# Altium PCB Mixed Signal Project.PcbDoc (part 1 of 3) (continued)
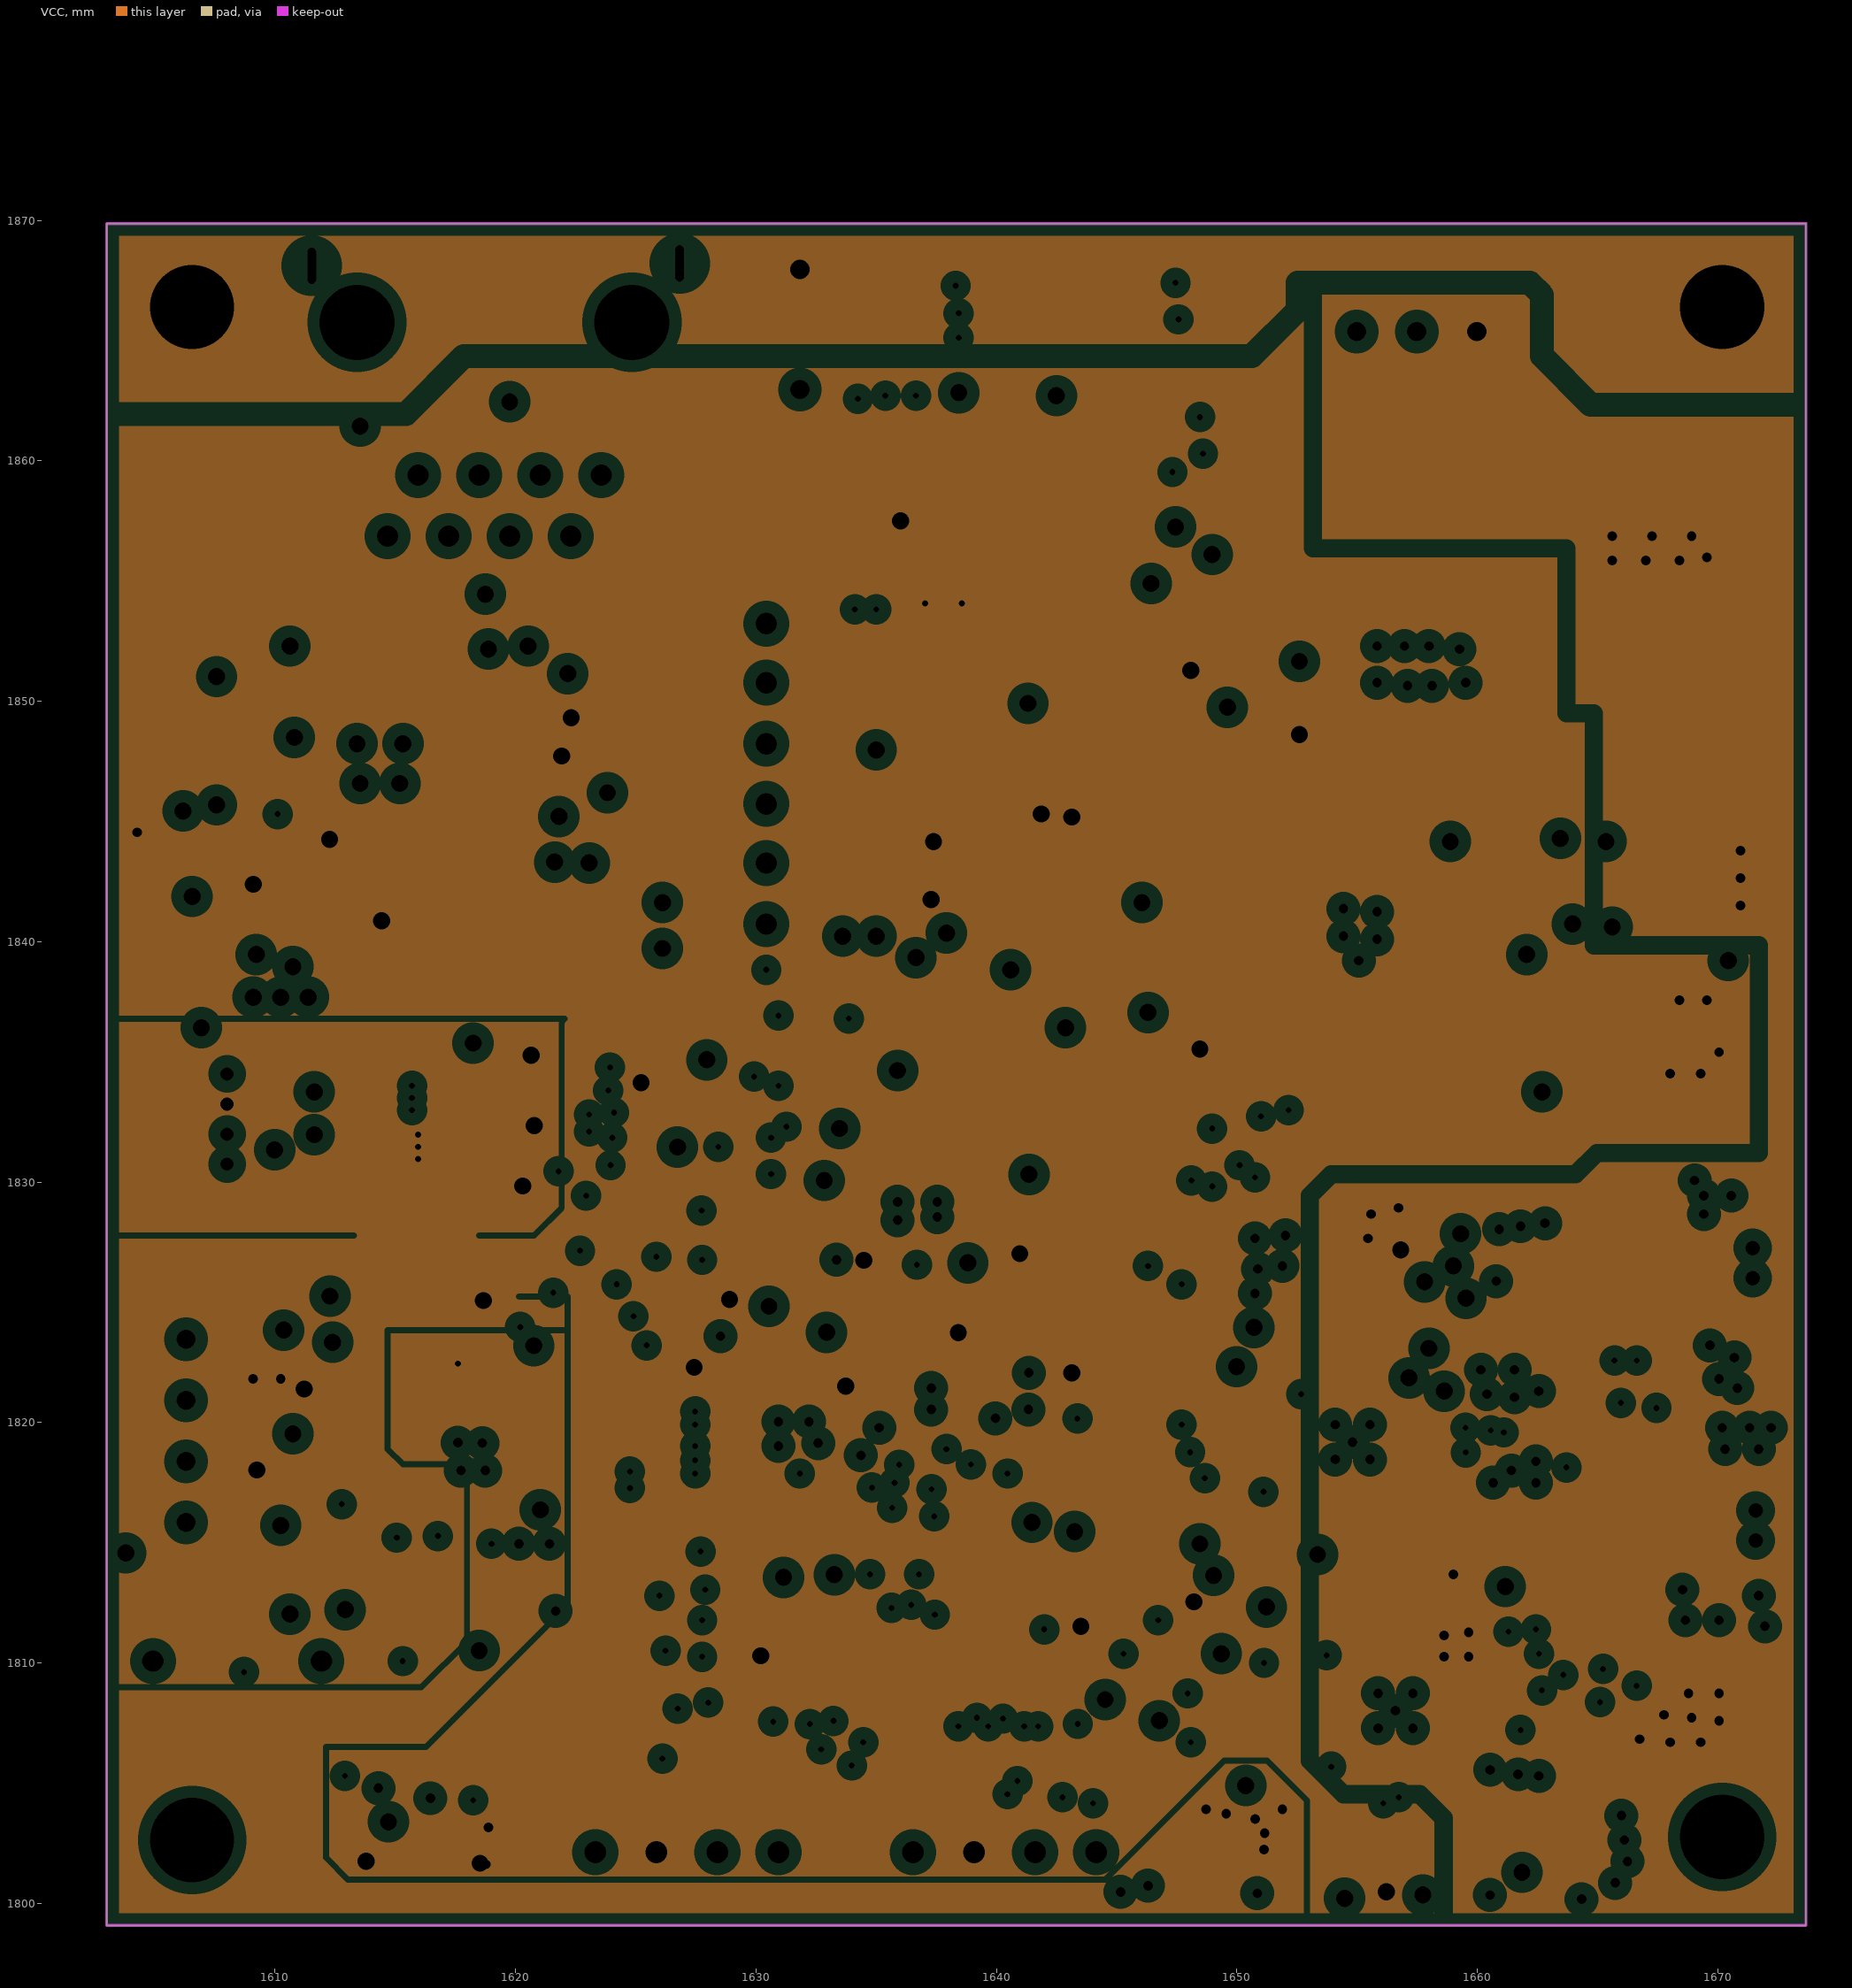
[diagram p3: VCC, clearances drawn from the general rule]
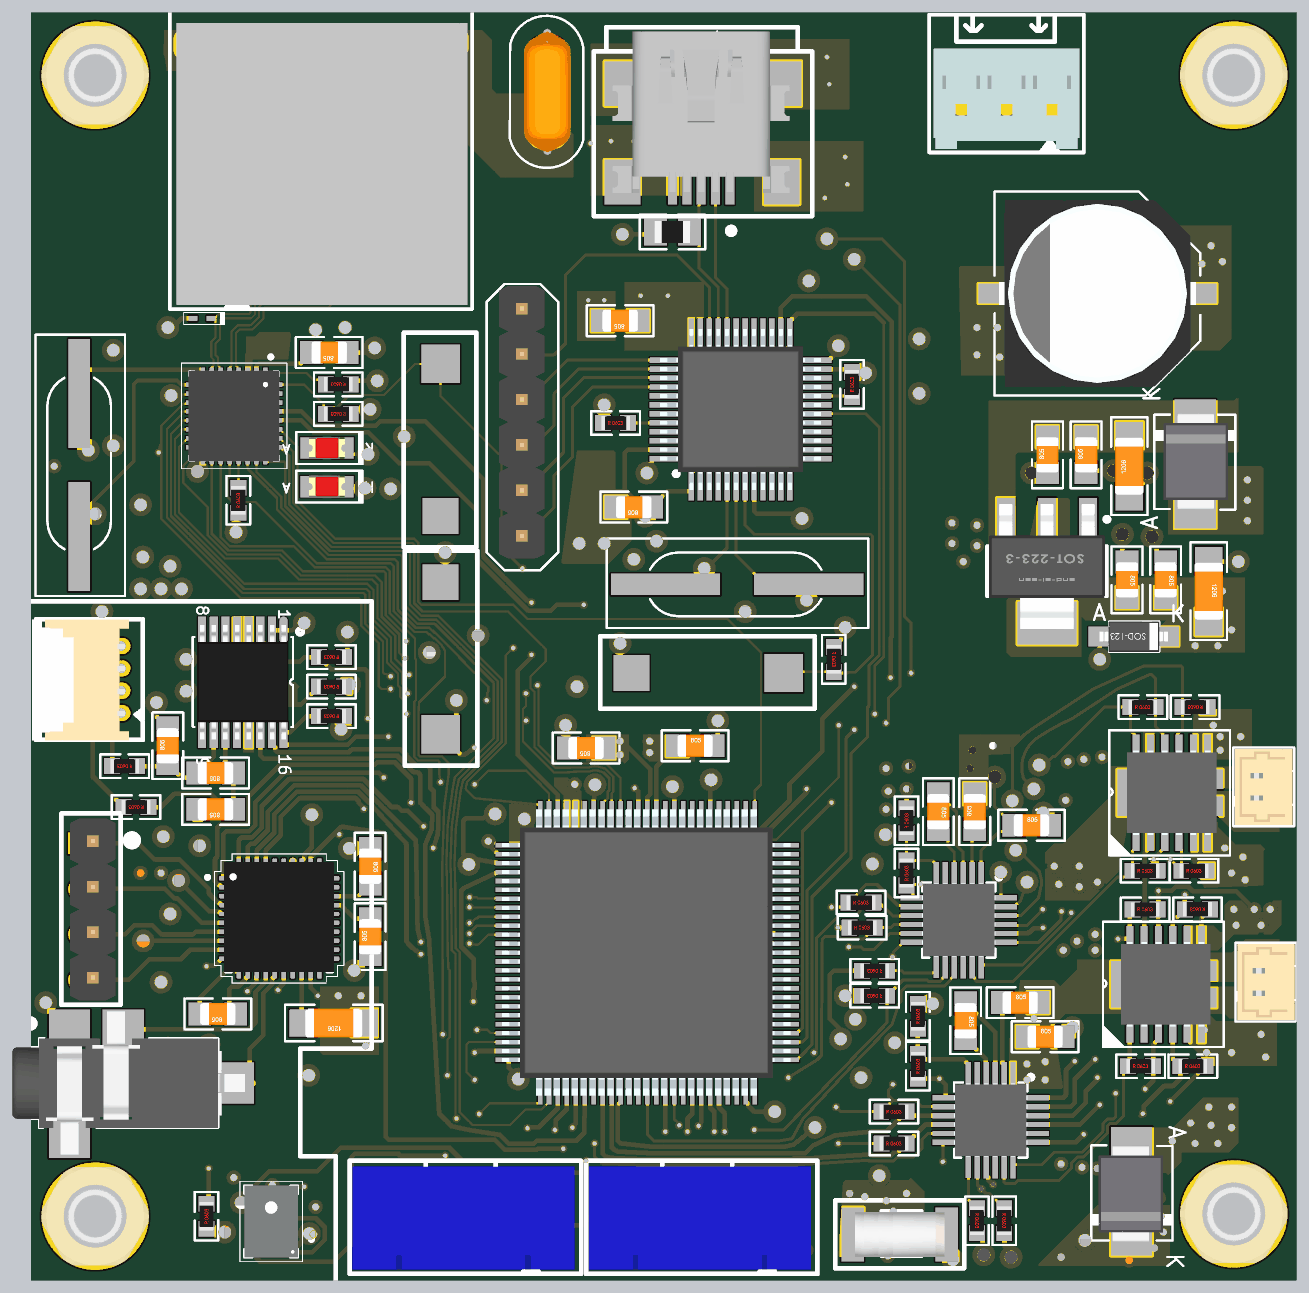
[diagram p6: 3D render of the assembled board from above, using the file's embedded part models]
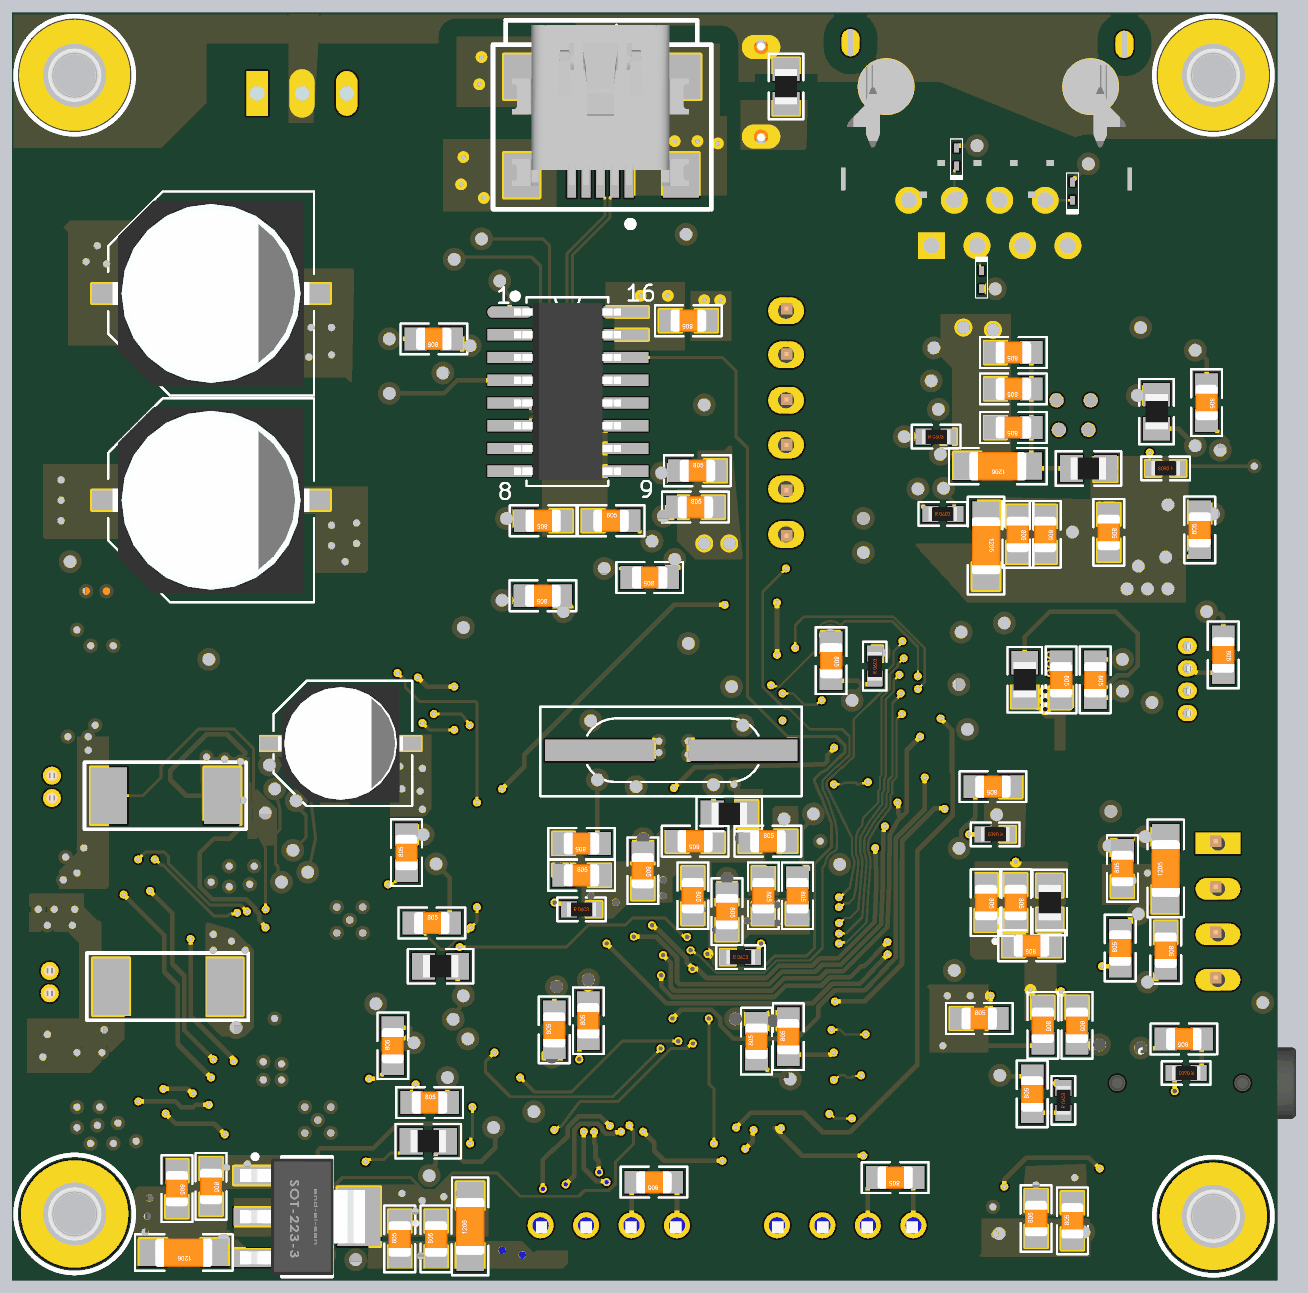
[diagram p7: 3D render of the assembled board from below, using the file's embedded part models]

## Layer stack, top to bottom
Top Solder: solder mask 0.0102, Solder Resist, Dk 3.5
Top Layer: signal copper 0.035
Dielectric 2: prepreg 0.1, PP-006, Dk 4.1
GND: plane copper 0.0175, net GND
Dielectric 1: dielectric 1.26, FR-4, Dk 4.8
VCC: plane copper 0.0175, net (Multiple Nets)
Dielectric 3: prepreg 0.1, PP-006, Dk 4.1
Bottom Layer: signal copper 0.035
Bottom Solder: solder mask 0.0102, Solder Resist, Dk 3.5

## Board outline
1602.994,1799.082 1602.994,1869.868 1673.665,1869.867 cw(c1673.665,1869.868) 1673.664,1869.868 1673.664,1799.082

## Design rules (kind name [scope] priority, off if disabled: settings)
Clearance Clearance_1 [InNet('EARTH') vs InNet('NetC21_1')] p1: gap=1 ignorepadtopadclearanceinfootprint=TRUE
Clearance [InNet('EARTH') vs InNet('GND')] p2: gap=1 ignorepadtopadclearanceinfootprint=TRUE
DiffPairsRouting DIFF100 [InDifferentialPairClass('DIFF100')] p1: maxlimit=0.127 minlimit=0.127 mostfreqgap=0.127 substack1={85947C0B-524F-4999-8F30-0B1A75798BF1} toplayer_{85947c0b-524f-4999-8f30-0b1a75798bf1}_minwidth=0.267 toplayer_{85947c0b-524f-4999-8f30-0b1a75798bf1}_maxwidth=0.267 toplayer_{85947c0b-524f-4999-8f30-0b1a75798bf1}_prefwidth=0.267 bottomlayer_{85947c0b-524f-4999-8f30-0b1a75798bf1}_minwidth=0.267 bottomlayer_{85947c0b-524f-4999-8f30-0b1a75798bf1}_maxwidth=0.267 bottomlayer_{85947c0b-524f-4999-8f30-0b1a75798bf1}_prefwidth=0.267 toplayer_minwidth=0.116 toplayer_maxwidth=0.116 toplayer_prefwidth=0.116 bottomlayer_minwidth=0.116 bottomlayer_maxwidth=0.116 bottomlayer_prefwidth=0.116 substack2={1AAEC9F2-790B-4646-ADD7-919C2FDB2E20} toplayer_{1aaec9f2-790b-4646-add7-919c2fdb2e20}_minwidth=0.267 toplayer_{1aaec9f2-790b-4646-add7-919c2fdb2e20}_maxwidth=0.267 toplayer_{1aaec9f2-790b-4646-add7-919c2fdb2e20}_prefwidth=0.267 bottomlayer_{1aaec9f2-790b-4646-add7-919c2fdb2e20}_minwidth=0.267 bottomlayer_{1aaec9f2-790b-4646-add7-919c2fdb2e20}_maxwidth=0.267 bottomlayer_{1aaec9f2-790b-4646-add7-919c2fdb2e20}_prefwidth=0.267 substack3={3DAEAAB0-107E-460D-B1CB-51DEF8907261} toplayer_{3daeaab0-107e-460d-b1cb-51def8907261}_minwidth=0.267 toplayer_{3daeaab0-107e-460d-b1cb-51def8907261}_maxwidth=0.267 toplayer_{3daeaab0-107e-460d-b1cb-51def8907261}_prefwidth=0.267 bottomlayer_{3daeaab0-107e-460d-b1cb-51def8907261}_minwidth=0.267 bottomlayer_{3daeaab0-107e-460d-b1cb-51def8907261}_maxwidth=0.267 bottomlayer_{3daeaab0-107e-460d-b1cb-51def8907261}_prefwidth=0.267 impedanceprofiledriven=TRUE impedanceprofileid={041C528D-5ECC-4D4E-9D7A-71868B227CA1} impedanceprofilevalue=100.000000 filterlayerstackid={F5C830A5-7703-44E7-AE46-DC009ED90DEE} maxuncoupledlength=12.7
DiffPairsRouting "DIFF 90" [InDifferentialPairClass('DIFF90')] p2: maxlimit=0.127 minlimit=0.127 mostfreqgap=0.127 substack1={85947C0B-524F-4999-8F30-0B1A75798BF1} toplayer_{85947c0b-524f-4999-8f30-0b1a75798bf1}_minwidth=0.401 toplayer_{85947c0b-524f-4999-8f30-0b1a75798bf1}_maxwidth=0.401 toplayer_{85947c0b-524f-4999-8f30-0b1a75798bf1}_prefwidth=0.401 bottomlayer_{85947c0b-524f-4999-8f30-0b1a75798bf1}_minwidth=0.401 bottomlayer_{85947c0b-524f-4999-8f30-0b1a75798bf1}_maxwidth=0.401 bottomlayer_{85947c0b-524f-4999-8f30-0b1a75798bf1}_prefwidth=0.401 toplayer_minwidth=0.166 toplayer_maxwidth=0.166 toplayer_prefwidth=0.166 bottomlayer_minwidth=0.166 bottomlayer_maxwidth=0.166 bottomlayer_prefwidth=0.166 substack2={1AAEC9F2-790B-4646-ADD7-919C2FDB2E20} toplayer_{1aaec9f2-790b-4646-add7-919c2fdb2e20}_minwidth=0.401 toplayer_{1aaec9f2-790b-4646-add7-919c2fdb2e20}_maxwidth=0.401 toplayer_{1aaec9f2-790b-4646-add7-919c2fdb2e20}_prefwidth=0.401 bottomlayer_{1aaec9f2-790b-4646-add7-919c2fdb2e20}_minwidth=0.401 bottomlayer_{1aaec9f2-790b-4646-add7-919c2fdb2e20}_maxwidth=0.401 bottomlayer_{1aaec9f2-790b-4646-add7-919c2fdb2e20}_prefwidth=0.401 substack3={3DAEAAB0-107E-460D-B1CB-51DEF8907261} toplayer_{3daeaab0-107e-460d-b1cb-51def8907261}_minwidth=0.401 toplayer_{3daeaab0-107e-460d-b1cb-51def8907261}_maxwidth=0.401 toplayer_{3daeaab0-107e-460d-b1cb-51def8907261}_prefwidth=0.401 bottomlayer_{3daeaab0-107e-460d-b1cb-51def8907261}_minwidth=0.401 bottomlayer_{3daeaab0-107e-460d-b1cb-51def8907261}_maxwidth=0.401 bottomlayer_{3daeaab0-107e-460d-b1cb-51def8907261}_prefwidth=0.401 impedanceprofiledriven=TRUE impedanceprofileid={3C1659B1-453F-4466-B69D-9904A4B2ECA4} impedanceprofilevalue=90.000000 filterlayerstackid={F5C830A5-7703-44E7-AE46-DC009ED90DEE} maxuncoupledlength=12.7
PlaneClearance [All] p1: clearance=0.508
PlaneConnect [All] p1: planeconnectstyle=Direct reliefexpansion=0.508 reliefentries=4 reliefconductorwidth=0.254 reliefairgap=0.254
PolygonConnect [All] p1: connectstyle=Direct reliefconductorwidth=0.254 reliefentries=4 polygonreliefangle="45 Angle" airgapwidth=0.254
RoutingVias [All] p1: holewidth=0.711 width=1.27 viastyle="Through Hole" minholewidth=0.711 minwidth=1.27 maxholewidth=0.711 maxwidth=1.27
SolderMaskExpansion [All] p1: expansion=0.102 istentingtop=FALSE
Width [All] p1: maxlimit=0.254 minlimit=0.1 preferedwidth=0.254 substack1={85947C0B-524F-4999-8F30-0B1A75798BF1} toplayer_{85947c0b-524f-4999-8f30-0b1a75798bf1}_minwidth=0.254 bottomlayer_{85947c0b-524f-4999-8f30-0b1a75798bf1}_minwidth=0.254 substack2={1AAEC9F2-790B-4646-ADD7-919C2FDB2E20} toplayer_{1aaec9f2-790b-4646-add7-919c2fdb2e20}_minwidth=0.254 bottomlayer_{1aaec9f2-790b-4646-add7-919c2fdb2e20}_minwidth=0.254 substack3={3DAEAAB0-107E-460D-B1CB-51DEF8907261} toplayer_{3daeaab0-107e-460d-b1cb-51def8907261}_minwidth=0.254 bottomlayer_{3daeaab0-107e-460d-b1cb-51def8907261}_minwidth=0.254
27 further rules are at their usual default settings.

## Classes and differential pairs
net class "Critical Nets": AIN0 AIN1 CH340_RST NetC30_1 NetC30_2 NetJ5_2 NetJ5_3 nFAULT nFAULT_2 NRST NTRST_F407 OUTA+ OUTA- OUTB+ OUTB- PHY_RESET RESET SNSOUT SNSOUT_2 SO SO_2
net class OSC_Nets: NetC4_2 NetC6_2 NetC55_1 NetC58_1
differential pair class DIFF100: RD TD
differential pair class DIFF90: CH340USB_D USBD
net class 50OHM: COL CRS INT MDC MDIO RX_CLK RX_D0 RX_D1 RX_D2 RX_D3 RX_DV RX_ER TX_CLK TX_D0 TX_D1 TX_D2 TX_D3 TX_EN
differential pair USBD: +USBD_P -USBD_N
differential pair TD: +TD_P -TD_N
differential pair RD: +RD_P -RD_N
differential pair CH340USB_D: +CH340USB_D_P -CH340USB_D_N

## Components (designator, comment, footprint, x,y, rotation, side; value= is the part's Value field where it differs from the comment)
C1 "4.7uF" CAP_0805 1635.49,1842.262 r180 bottom
C2 "0.1uF" CAP_0805 1635.379,1844.294 r180 bottom
C3 "0.1uF" CAP_0805 1636.649,1842.262 r180 top
C4 "30pF" CAP_0805 1638.046,1838.325 r0 bottom
C5 "0.1uF" CAP_0805 1635.887,1852.676 r180 top
C6 "30pF" CAP_0805 1644.015,1837.309 r0 bottom
C7 "1uF" CAP_0805 1643.999,1841.5 r0 bottom
C8 "10nF" CAP_0805 1640.205,1841.5 r180 bottom
C9 "0.1uF" CAP_0805 1650.111,1851.66 r0 bottom
C10 "2nF" CAP_0805 1619.631,1850.898 r180 top
C11 "10uF" CAP_1206 1618.593,1844.548 r0 bottom
C12 "1uF" CAP_0805 1617.726,1846.707 r0 bottom
C13 "0.1uF" CAP_0805 1617.726,1848.866 r0 bottom
C14 "10nF" CAP_0805 1617.726,1850.898 r0 bottom
C15 "20pF" CAP_0805 1606.931,1848.104 r270 bottom
C16 "10nF" CAP_0805 1612.392,1840.849 r270 bottom
C17 "0.1uF" CAP_0805 1615.948,1840.738 r270 bottom
C18 "1uF" CAP_0805 1617.472,1840.738 r270 bottom
C19 "10uF" CAP_1206 1619.25,1840.103 r270 bottom
C20 "20pF" CAP_0805 1607.312,1840.992 r90 bottom
C21 "10nF" CAP_P196_102X287_H332_RAD_TH 1631.823,1862.963 r90 top
C22 "0.1uF" CAP_0805 1653.667,1825.244 r270 top
C23 "1uF" CAP_0805 1655.699,1825.244 r90 top
C24 "100uF" ACAP_P236_D305_H303_RAD 1655.318,1829.054 r180 bottom
C25 "0.1uF" CAP_0805 1658.874,1824.482 r0 top
C26 "1uF" CAP_0805 1651.635,1822.958 r90 bottom
C27 "1uF" CAP_0805 1650.222,1819.021 r180 bottom
C28 "0.1uF" CAP_0805 1615.059,1832.61 r270 bottom
C29 "0.1uF" CAP_0805 1613.154,1832.61 r270 bottom
C30 "0.1uF" CAP_0805 1613.281,1827.403 r180 top
C31 "10nF" CAP_0805 1610.614,1828.927 r90 top
C32 "10nF" CAP_0805 1613.281,1825.371 r180 top
C33 "0.1uF" CAP_0805 1606,1834 r270 bottom
C34 "0.1uF" CAP_0805 1616.71,1817.751 r0 bottom
C35 "22nF" CAP_0805 1616.676,1809.471 r90 bottom
C36 "22nF" CAP_0805 1608.201,1812.544 r0 bottom
C37 "0.1uF" CAP_0805 1614.17,1813.306 r270 bottom
C38 "1uF" CAP_0805 1616.075,1813.306 r270 bottom
C39 "1uF" CAP_0805 1619.25,1820.164 r270 bottom
C40 "0.1uF" CAP_0805 1617.599,1820.164 r270 bottom
C41 "1uF" CAP_0805 1613.408,1813.941 r180 top
C42 "1uF" CAP_0805 1611.757,1817.624 r90 bottom
C43 "10uF" CAP_1206 1609.217,1822.069 r90 bottom
C44 "0.1uF" CAP_0805 1609.217,1817.497 r270 bottom
C45 "0.1uF" CAP_0805 1611.63,1822.069 r90 bottom
C46 "0.1uF" CAP_0805 1618.869,1826.641 r0 bottom
C47 "10uF" CAP_1206 1619.885,1813.433 r180 top
C48 "150pF" CAP_0805 1621.917,1822.196 r270 top
C49 "1uF" CAP_0805 1619.631,1813.687 r180 bottom
C50 "150pF" CAP_0805 1621.917,1818.259 r90 top
C51 "0.1uF" CAP_0805 1616.456,1802.511 r90 bottom
C52 "1uF" CAP_0805 1614.424,1802.384 r90 bottom
C53 "0.1uF" CAP_0805 1627.911,1833.677 r270 bottom
C55 "30pF" CAP_0805 1640.078,1828.927 r0 top
C56 "0.1uF" CAP_0805 1624.33,1804.797 r0 bottom
C57 "0.1uF" CAP_0805 1637.808,1804.543 r0 bottom
C58 "30pF" CAP_0805 1633.982,1828.8 r180 top
C59 "0.1uF" CAP_0805 1633.728,1819.656 r270 bottom
C60 "4.7uF" CAP_0805 1643.38,1813.052 r90 bottom
C61 "0.1uF" CAP_0805 1632.077,1812.417 r90 bottom
C62 "0.1uF" CAP_0805 1629.791,1820.545 r270 bottom
C63 "0.1uF" CAP_0805 1641.856,1821.688 r180 bottom
C64 "0.1uF" CAP_0805 1638.427,1821.942 r270 bottom
C65 "1uF" CAP_0805 1631.442,1823.593 r180 bottom
C66 "1uF" CAP_0805 1635.506,1823.593 r0 bottom
C67 "0.1uF" CAP_0805 1631.696,1820.545 r270 bottom
C68 "0.1uF" CAP_0805 1635.633,1820.545 r270 bottom
C69 "2.2uF" CAP_0805 1641.475,1813.56 r90 bottom
C70 "2.2uF" CAP_0805 1630.299,1812.671 r90 bottom
C71 "0.1uF" CAP_0805 1641.856,1823.466 r0 bottom
C72 "0.1uF" CAP_0805 1635.887,1852.676 r0 bottom
C73 "100uF" ACAP_P305_D393_H393_RAD 1662.557,1854.2 r180 top
C74 "100uF" ACAP_P305_D393_H393_RAD 1662.557,1854.2 r180 bottom
C75 "100uF" ACAP_P305_D393_H393_RAD 1662.557,1842.643 r180 bottom
C76 "0.1uF" CAP_0805 1664.208,1838.198 r270 top
C77 "1uF" CAP_0805 1666.367,1838.198 r270 top
C78 "10uF" CAP_1206 1668.78,1837.563 r270 top
C79 "10uF" CAP_1206 1664.335,1844.548 r90 top
C80 "1uF" CAP_0805 1661.922,1845.183 r90 top
C81 "0.1uF" CAP_0805 1659.763,1845.183 r90 top
C82 "0.1uF" CAP_0805 1652.016,1801.368 r90 bottom
C83 "1uF" CAP_0805 1649.984,1801.368 r90 bottom
C84 "10uF" CAP_1206 1648.084,1802.066 r90 bottom
C85 "10uF" CAP_1206 1664.081,1800.606 r0 bottom
C86 "1uF" CAP_0805 1664.462,1804.178 r270 bottom
C87 "0.1uF" CAP_0805 1662.557,1804.305 r270 bottom
C88 "0.1uF" CAP_0805 1655.191,1813.56 r270 top
C89 "1uF" CAP_0805 1658.239,1814.576 r0 top
C91 "0.1uF" CAP_0805 1659.636,1812.671 r0 top
C92 "1uF" CAP_0805 1652.397,1812.163 r90 bottom
C93 "1uF" CAP_0805 1650.349,1808.988 r180 bottom
D1 "ESD3V3D9-TP" DIO_SOD-923 1612.519,1852.803 r180 top
D2 "ESD3V3D9-TP" DIO_SOD-923 1614.424,1859.915 r90 bottom
D3 "ESD3V3D9-TP" DIO_SOD-923 1619.504,1854.962 r270 bottom
D4 "ESD3V3D9-TP" DIO_SOD-923 1620.901,1861.82 r90 bottom
D5 "MBRS130LT3G" DIO_SMB_DO-214AA 1668.018,1844.675 r90 top
D6 "BZT52C3V3-7-F" DIO_SOD-123 1664.589,1835.023 r0 top
D7 "MBRS130LT3G" DIO_SMB_DO-214AA 1664.462,1804.035 r270 top
D8 "1.8V Zener" DIO_DO-213AB_SMD 1651.508,1801.622 r0 top
DS1 "RED LED" LED_0805 1619.507,1845.564 r180 top
DS2 "RED LED" LED_0805 1619.507,1843.405 r180 top
FB1 "1K" IND_0805 1613.535,1844.421 r180 bottom
FB2 "1K" IND_0805 1617.091,1832.61 r270 bottom
FB3 "1K" IND_0805 1615.694,1820.164 r90 bottom
FB4 "1K" IND_0805 1633.601,1825.117 r0 bottom
J1 "USB2.0 MINI B" CON_690-005-299-043 1636.014,1860.423 r270 top
J2 "Bergstrip 2.54mm" CON6_100_59D78_TH_ST 1630.426,1840.731 r90 top
J3 "RJ45 LAN" CON10_P106_RJ45_TH_ST 1624.823,1865.812 r180 top
J4 "1.25MM Spade 4PIN" CON4_50_653004117322_TH_RA 1608,1834.5 r90 top
J5 "4X1 STEREO" CON_SJ-2504A-SMT-TR_SMD 1608.424,1810.079 r0 top
J6 "B4B-XH-A(LF)(SN)" CON4_100_B4B-XH-A_TH_ST 1630.934,1802.13 r180 top
J7 "B4B-XH-A(LF)(SN)" CON4_100_B4B-XH-A_TH_ST 1644.142,1802.13 r180 top
J8 "USB2.0 MINI B" CON_690-005-299-043 1645.202,1860.804 r270 bottom
J9 "Terminal Block 2.5mm" CON3_100_TB_TH_ST 1657.477,1865.376 r270 top
J10 "4X1 BERG STRIP" CON4_100_40D72_TH_ST_MALE 1606.296,1823.466 r0 top
J11 "653002114822" CON2_50_653002114822_TH_ST 1671.447,1826.631 r90 top
J12 "653002114822" CON2_50_653002114822_TH_ST 1671.574,1815.719 r90 top
MH1 "Mounting Hole" MOUNTING 1606.55,1866.392 r180 bottom
MH2 "Mounting Hole" MOUNTING 1606.55,1802.638 r180 bottom
MH3 "Mounting Hole" MOUNTING 1670.177,1802.765 r180 bottom
MH4 "Mounting Hole" MOUNTING 1670.177,1866.392 r180 bottom
Q1 "DMHT6016LFJ-13" DFN5045-12_33_212_27X15_SMD_1 1666.716,1826.3 r0 top
Q2 "DMHT6016LFJ-13" DFN5045-12_33_212_27X15_SMD_1 1666.367,1815.592 r0 top
R1 "100K" RES_0603 1635.633,1846.961 r0 top
R2 "1.5K" RES_0805 1638.808,1857.629 r180 top
R3 "10K" RES_0603 1647.825,1833.753 r270 top
R4 "100K" RES_0603 1648.841,1849.12 r90 top
R5 "3K3" RES_0603 1622.044,1846.199 r180 bottom
R6 "10K" RES_0603 1620.136,1847.469 r180 top
R7 "10K" RES_0603 1620.136,1849.12 r180 top
R8 "10K" RES_0603 1614.551,1842.643 r90 top
R9 "3K3" RES_0603 1621.663,1841.881 r180 bottom
R10 "6.49K" RES_0805 1609.725,1847.596 r90 bottom
R11 "10K" RES_0603 1609.217,1844.421 r0 bottom
R12 "1M" RES_0805 1630.426,1865.757 r270 bottom
R13 "2K" RES_0603 1651.889,1821.815 r90 top
R14 "3K3" RES_0603 1651.889,1824.736 r90 top
R15 "10K" RES_0603 1665.224,1821.942 r0 top
R16 "10K" RES_0603 1665.097,1831.086 r0 top
R17 "10K" RES_0603 1667.954,1821.942 r0 top
R18 "10K" RES_0603 1668.018,1831.086 r180 top
R19 "33K" RES_0805 1649.73,1816.608 r0 bottom
R20 "50mOHM" RES_2512 1665.097,1826.133 r180 bottom
R21 "10K" RES_0603 1650.111,1816.354 r180 top
R22 "10K" RES_0603 1649.412,1818.767 r0 top
R23 "10K" RES_0603 1649.349,1820.164 r0 top
R24 "10K" RES_0603 1650.111,1814.957 r180 top
R25 "100K" RES_0603 1619.758,1833.88 r180 top
R26 "10K" RES_0603 1619.758,1830.578 r180 top
R27 "10K" RES_0603 1619.758,1832.229 r180 top
R28 "1K" RES_0603 1608.836,1825.498 r180 top
R29 "1K" RES_0603 1608.201,1827.784 r180 top
R30 "51.1R" RES_0603 1608.074,1810.639 r0 bottom
R31 "51.1R" RES_0603 1614.932,1809.115 r90 bottom
R32 "10K" RES_0603 1618.742,1823.974 r0 bottom
R33 "10K" RES_0603 1612.773,1802.638 r90 top
R34 "10K" RES_0603 1625.473,1833.372 r90 bottom
R35 "100K" RES_0603 1632.966,1817.116 r180 bottom
R36 "100K" RES_0603 1641.856,1819.783 r180 bottom
R37 "2K" RES_0603 1652.524,1811.02 r90 top
R38 "3K3" RES_0603 1652.524,1813.814 r90 top
R39 "10K" RES_0603 1664.97,1811.02 r0 top
R40 "10K" RES_0603 1665.224,1819.783 r0 top
R41 "10K" RES_0603 1667.891,1811.02 r0 top
R42 "10K" RES_0603 1668.145,1819.783 r180 top
R43 "33K" RES_0805 1650.426,1806.829 r0 bottom
R44 "50mOHM" RES_2512 1664.97,1815.465 r180 bottom
R45 "10K" RES_0603 1655.826,1802.384 r270 top
R46 "10K" RES_0603 1651.19,1806.702 r0 top
R47 "10K" RES_0603 1651.19,1808.48 r0 top
R48 "10K" RES_0603 1657.35,1802.384 r270 top
SW1 "TACTILE SWITCH" SW_342_SMD 1636.522,1832.991 r180 top
SW2 "TACTILE SWITCH" SW_342_SMD 1625.854,1841.763 r270 top
SW3 "TACTILE SWITCH" SW_342_SMD 1625.854,1838.062 r90 top
U1 "STM32F103C8T6" LQFP-48_19.6_393_58X11_SMD 1642.618,1847.723 r90 top
U2 "DP83826IRHBR" VQFN32_19_218_23X9_SMD 1614.317,1847.355 r270 top
U3 "DRV8701ERGET" VFQFN24_19.6_196_12X32_SMD_1 1652.806,1820.438 r270 top
U4 "ADS122C04IPW" TSSOP16_25-59_294_54X14_SMT 1614.805,1832.483 r270 top
U5 "CS43L22-CNZ" QFN40_19_284_33X9_SMD 1616.837,1819.275 r0 top
U7 "IMP34DT05TR" HCLGA-4_53_137_15X37_SMD 1616.387,1802.344 r180 top
U8 "STM32F407VGT6" QFN100_19.6_669_58X10_SMD 1637.284,1817.37 r270 top
U9 "CH340C" SOIC16_50_284_25X90_SMT 1642.618,1848.739 r180 bottom
U10 "LD1117S33CTR" SOT223_3 1659.763,1838.706 r270 top
U11 "LD1117S18TR" SOT223_3 1657.223,1802.638 r180 bottom
U12 "DRV8701ERGET" VFQFN24_19.6_196_12X32_SMD_1 1654.592,1809.262 r270 top
X1 "8Mhz" XTAL_314_240X47_SMD 1638.427,1837.944 r0 top
X2 "8Mhz" XTAL_314_240X47_SMD 1632.84,1828.673 r0 bottom
Y1 "25Mhz -14mm" XTAL_314_240X47_SMD 1605.661,1848.612 r270 top
